# Altium PCB highpower.PcbDoc (part 2 of 2)
Units mil, origin at the board's own origin, x right, y up, seen from the top; angles counter-clockwise.
Board outline 3385.83 x 4330.71 mil, 2 copper layers (Top Layer, Bottom Layer); 122 components, 82 nets, 359 pads, 377 vias.
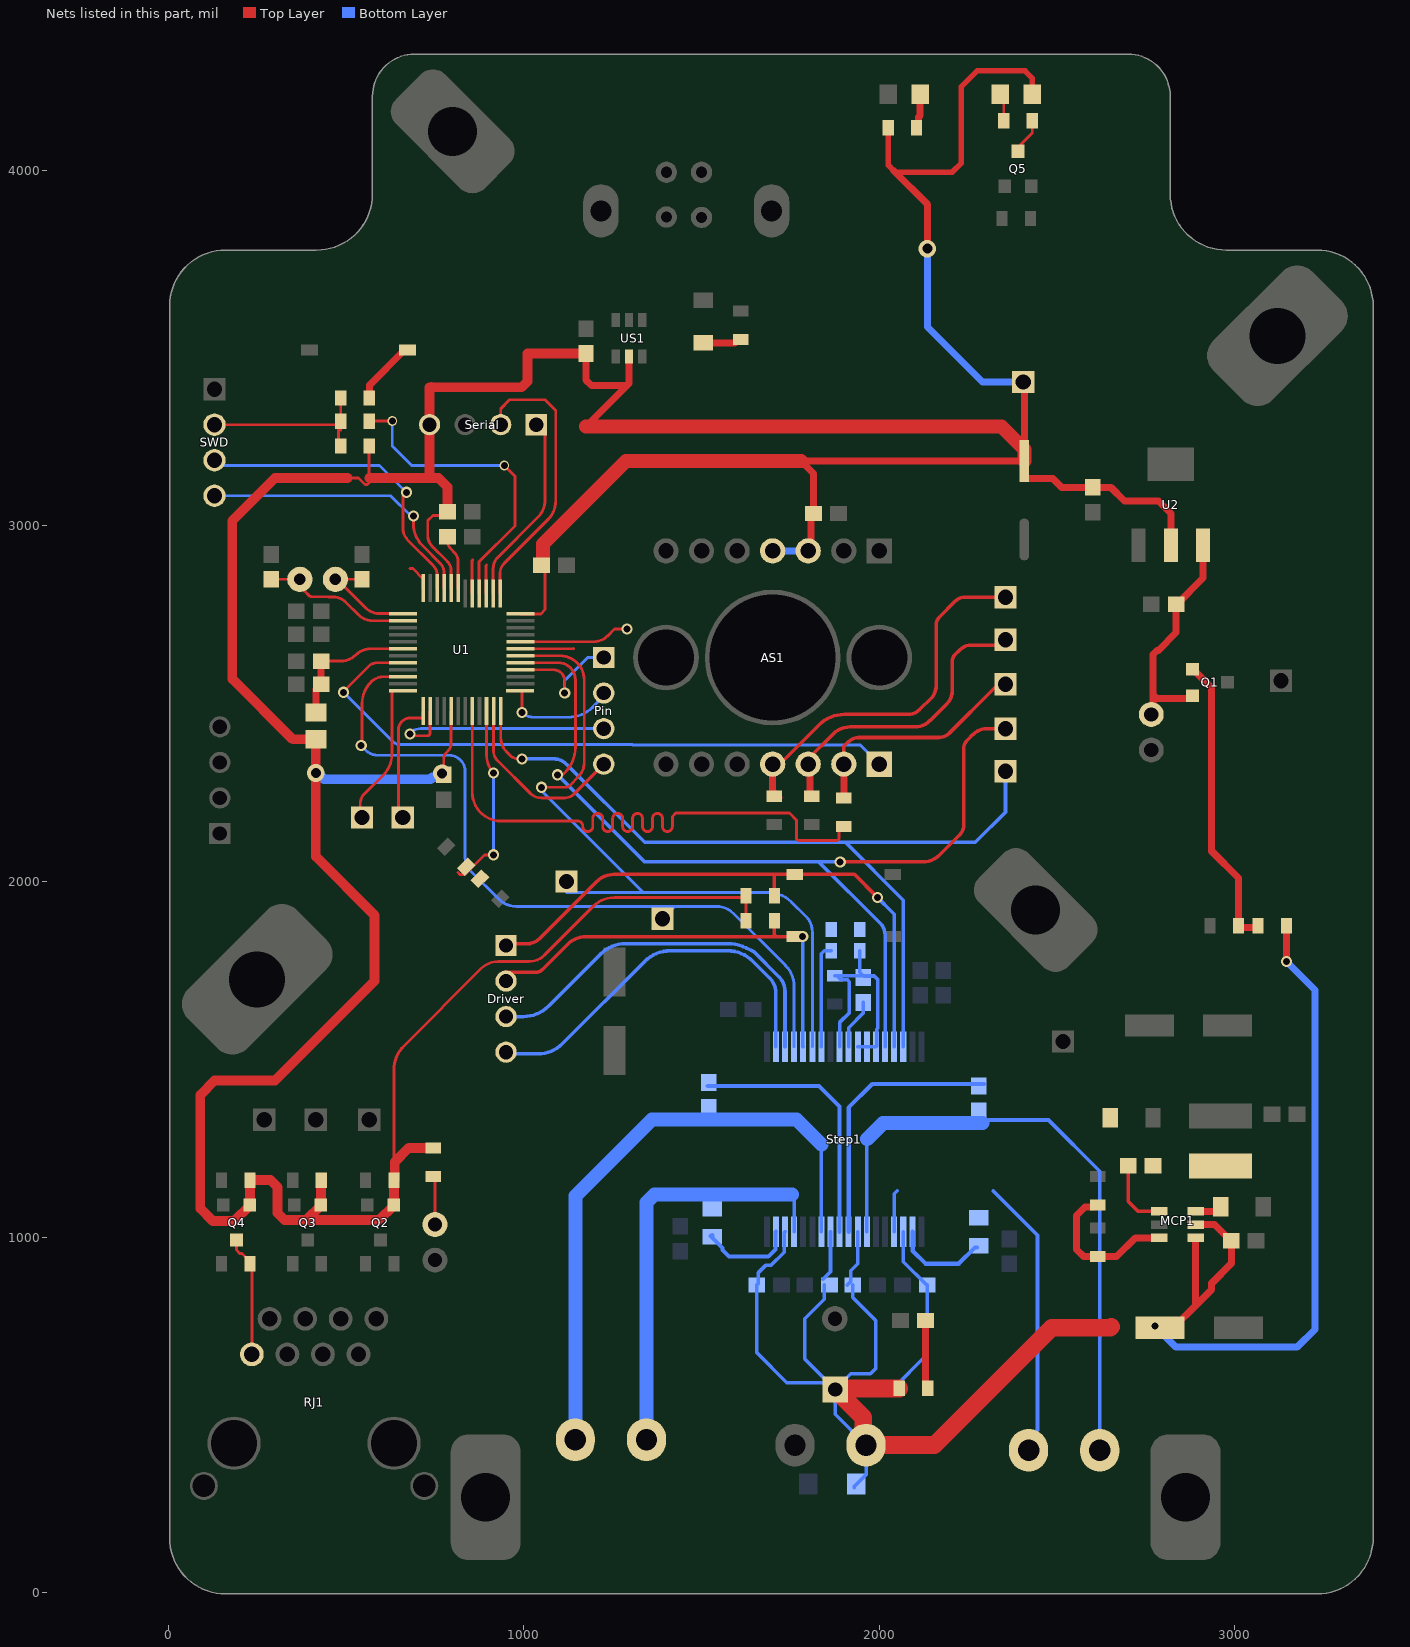
[diagram p2: the nets of this part, all layers, seen from the top]

## Via types
v1: diameter 27.56, hole 15.75, Top Layer to Bottom Layer, tented both sides, 321 vias
v2: diameter 31.5, hole 19.68, Top Layer to Bottom Layer, tented both sides, 37 vias
v3: diameter 50, hole 28, Top Layer to Bottom Layer, tented both sides, 17 vias
v4: diameter 27.56, hole 19.68, Top Layer to Bottom Layer, 2 vias

## Nets (pads, with @x,y where several pads share a name; then routed paths per layer and width w, separated by ;. In a path a pad name is that pad's centre, name@x,y a point inside that pad or via, vN(x,y) a via of type N, cw(c..) or ccw(c..) an arc to the next point about the centre after c; other vN are vias at no path point) (continued)
NetAS1_2: AS1.2 R1.1 SCK.1 | length 673.8
  Top Layer w10: AS1.2@1900,2330 1900.43,2330.43 1900.43,2380.43 1912.72,2392.72 cw(c1942.37,2363.06) 1942.37,2405 2167.32,2405 ccw(c2167.32,2447.68) 2197.5,2417.5 2320.86,2540.86 cw(c2355,2506.72) SCK.1@2355,2555
  Top Layer w19.68: AS1.2@1900,2330 R1.1@1900,2235 R1.1@1905,2240
NetAS1_3: AS1.3 MISO.1 R2.1 | length 853.4
  Top Layer w10: AS1.3@1800,2330 1800,2345 1870,2415 cw(c1918.28,2366.72) 1918.28,2435 2100.25,2435 ccw(c2100.25,2494.75) 2142.47,2452.47 ; 2142.5,2452.5 2190.86,2500.86 ; 2190.88,2500.88 ccw(c2156.72,2535) 2205,2535 2205,2619.39 cw(c2230.61,2619.39) 2212.5,2637.5 2226.25,2651.25 ; 2226.28,2651.28 cw(c2259.45,2618.05) 2259.45,2665 MISO.1@2355,2665
  Top Layer w19.68: AS1.3@1800,2330 1805,2325 1805,2245 R2.1@1810,2240
NetAS1_4: AS1.4 MOSI.1 R3.1 | length 1056.6
  Top Layer w10: AS1.4@1700,2330 ccw(c1700,2378.28) 1734.14,2344.14 1830.71,2440.71 cw(c1901.42,2370) 1901.42,2470 2080,2470 ccw(c2080,2518.28) 2114.12,2484.12 ; 2114.14,2484.14 2145.86,2515.86 ; 2145.88,2515.88 ccw(c2111.72,2550) 2160,2550 2160,2720.86 cw(c2194.14,2720.86) 2169.98,2744.98 2212.5,2787.5 cw(c2242.68,2757.32) 2242.68,2800 MOSI.1@2355,2800
  Top Layer w19.68: AS1.4@1700,2330 1700,2255 R3.1@1718.19,2236.81
NetC3_1: C3.1 C25.2 Q1.2 U2.3 | length 671.5
  Top Layer w19.68: C3.1@2765,2470 2770,2475 2770,2526.53 ; Q1.2@2880.79,2522.4 2873.39,2515 2781.53,2515 2770,2526.53 ; U2.3@2910.55,2945.83 2910.55,2853.58 2836.97,2780 C25.2@2835,2780 2835,2700 2785,2650 2781.53,2650 2770,2638.47 2770,2526.53
  Bottom Layer w19.68: C3.1@2765,2470 C3.1@2774.63,2479.63
NetC7_1: C7.1 C10.1 F1.1 U1.6 | length 391.4
  Top Layer w8: C7.1@430,2620 485.57,2620 ccw(c485.57,2678.98) 527.28,2637.28 cw(c568.88,2595.61) 568.88,2654.49 U1.6@659.8,2654.49
  Top Layer w19.68: F1.1@415,2475 415,2541.97 428.03,2555 C10.1@430,2555 C7.1@430,2620
NetC13_2: C13.2 U1.1 X1.2 | length 277.2
  Top Layer w8: X1.2@470,2850 X1.2@475,2850 ; C13.2@545,2850 X1.2@475,2850 ; U1.1@639.65,2753.49 594.86,2753.49 cw(c594.86,2809.86) 555.02,2769.98 X1.2@475,2850
NetC16_2: C16.2 U1.2 X1.1 | length 402.1
  Top Layer w8: C16.2@290,2850 X1.1@370,2850 ccw(c418.28,2850) 384.14,2815.86 395,2805 ccw(c404.97,2814.97) 404.97,2800.87 cw(c404.97,2792.87) 405.02,2800.87 419.2,2800.8 451.26,2800.65 459.46,2800.62 462.3,2800.62 cw(c462.3,2747.3) 463.76,2800.6 cw(c462.3,2747.3) 499.98,2785.02 534.74,2750.26 ccw(c575,2790.52) 575,2733.58 U1.2@639.65,2733.58
NetC17_1: C17.1 U1.43 | length 154.6
  Top Layer w8: C17.1@785,2970 785,2959.14 ccw(c819.14,2959.14) 795,2935 805.16,2924.84 cw(c780.64,2900.32) 815.32,2900.32 U1.43@815.32,2825
NetC20_1: C20.1 D4.2 L1.1 MCP1.6 | length 81.6
  Top Layer w19.68: MCP1.6@2890,1072.4 2948.19,1072.4 2960,1084.21 D4.2@2960,1085 D4.2@2960,1090.91
NetC20_2: C20.2 D3.2 MCP1.1@2787.64,1072.4 | length 199.1
  Top Layer w10: C20.2@2700,1200 2700,1100 2727.6,1072.4 MCP1.1@2787.64,1072.4
NetC33_2: C33.2 R23.2 | length 193.5
  Top Layer w20: C33.2@2130,765 2130,586.03 2136.11,579.92 R23.2@2136.11,574.01
NetC34_1: C34.1 Step1.35 | length 271.2
  Bottom Layer w11.81: C34.1@1525,1003.03 1558.83,969.2 1558.83,963.09 1576.92,945 1687.77,945 1707.87,965.1 1707.87,1013.78 Step1.35@1709.09,1015 ; C34.1@1530,1003.03 C34.1@1530,1005
NetC34_2: C34.2 J2.2 Step1.33 | length 1193.4
  Bottom Layer w10: J2.2@1345,430 J2.2@1360,445 ; Step1.33@1760.28,1015 1760.28,1100.73
  Bottom Layer w39.37: J2.2@1345,430 1345,1096.94 1368.06,1120 1755,1120
NetC35_1: C35.1 Step1.10 | length 142.1
  Bottom Layer w10: Step1.10@1913.82,1535 1913.82,1588.82 1955,1630 C35.1@1955,1660
NetC35_2: C35.2 R24.2 R25.2 R27.2 Step1.9 Step1.11 Step1.12 Step1.13 | length 671
  Bottom Layer w10: R25.2@1875,1735 1885,1735 1890,1735 C35.2@1955,1735 ; R25.2@1885,1730.9 1891.65,1724.25 1909.14,1724.25 1915,1718.39 1915,1630 1888.23,1603.23 Step1.9@1888.23,1535 ; Step1.11@1939.41,1535 Step1.12@1965,1535 Step1.13@1990.59,1535 1992.72,1537.13 1992.72,1584.52 1995,1586.8 1995,1725 1985.8,1734.2 1955.8,1734.2 C35.2@1955,1735 ; R24.2@1945,1805 1945,1745 C35.2@1955,1735
NetC36_1: C36.1 Step1.28 | length 746.9
  Bottom Layer w11.81: C36.1@1517.21,1425 1830,1425 1888.23,1366.77 Step1.28@1888.23,1015
NetC36_2: C36.2 J2.1 Step1.30 | length 1740.1
  Bottom Layer w10: Step1.30@1837.05,1015 1837.05,1260
  Bottom Layer w39.37: J2.1@1145,430 1145,1115 1360,1330 1767.05,1330 1837.05,1260
NetC37_1: C37.1 Step1.27 | length 756.7
  Bottom Layer w11.81: Step1.27@1913.82,1015 1913.82,1363.82 1980,1430 C37.1@2294.25,1430
NetC37_2: C37.2 J3.2 Step1.25 | length 1778.3
  Bottom Layer w10: Step1.25@1965,1015 1965,1275 ; 2290,1329.14 2475.86,1329.14 2620,1185 J3.2@2620,400
  Bottom Layer w39.37: 1965,1275 2010,1320 2290,1320
NetC38_1: C38.1 Step1.20 | length 269.3
  Bottom Layer w11.81: Step1.20@2092.95,1015 2094.17,1013.78 2094.17,960.83 2130,925 2223.52,925 2269.16,970.64 C38.1@2275.01,970.64
NetC38_2: C38.2 J3.1 Step1.22 | length 910.5
  Bottom Layer w10: Step1.22@2041.77,1015 2041.77,1121.77 2050,1130 ; 2320,1130 2445,1005 2445,457.06 2420,432.06 J3.1@2420,400
NetD2_2: D2.2 R16.1 | length 109.1
  Top Layer w19.68: D2.2@1505,3515 1594.09,3515 1604.09,3525 R16.1@1610,3525
NetDriver_1: Driver.1 R22.2 RST_CD.2 Step1.15 | length 1649.1
  Top Layer w10: Driver.1@950,1820 955,1825 1010,1825 ccw(c1010,1873.28) 1044.12,1839.12 ; 1044.14,1839.14 1205,2000 cw(c1253.28,1951.72) 1253.28,2020 1705,2020 ; R22.2@1705,1960 1705,2020 ; v2(1995,1955) 1930,2020 1705,2020
  Bottom Layer w10: v2(1995,1955) 2036.72,1913.28 2041.77,1908.23 Step1.15@2041.77,1535
NetDriver_2: Driver.2 R21.2 RST_AB.2 Step1.5 | length 1236.4
  Top Layer w10: Driver.2@945,1745 1035,1745 ccw(c1035,1769.14) 1052.07,1752.07 1123.79,1823.79 cw(c1175,1772.57) 1150.86,1840.86 cw(c1175,1772.57) 1175,1845 1710,1845 ; R21.2@1705,1890 1705,1850 1710,1845 ; v2(1784.4,1845.6) 1762.8,1845.6 RST_AB.2@1762.2,1845 1710,1845
  Bottom Layer w10: v2(1784.4,1845.6) 1784.4,1536.47 Step1.5@1785.87,1535 Step1.5@1785,1535.87
NetDriver_3: Driver.3 Step1.3 | length 1079.1
  Bottom Layer w10: Driver.3@950,1620 998.58,1620 ccw(c998.58,1720) 1069.29,1649.29 1215.71,1795.71 cw(c1286.42,1725) 1286.42,1825 1573.58,1825 cw(c1573.58,1705) 1626.05,1812.92 1647.5,1802.5 1717.5,1732.5 cw(c1676.01,1691.01) 1734.69,1691.01 Step1.3@1734.69,1535
NetDriver_4: Driver.4 Step1.2 | length 1080.7
  Bottom Layer w10: Driver.4@950,1520 955,1515 1040,1515 ccw(c1040,1611.57) 1108.28,1543.28 1340.71,1775.71 cw(c1411.42,1705) 1411.42,1805 1573.58,1805 cw(c1573.58,1705) 1644.29,1775.71 1690.78,1729.22 cw(c1646.55,1685) 1709.09,1685 Step1.2@1709.09,1535
NetLED2_1: IN.1 R5.1 | length 81.2
  Top Layer w8: R5.1@2100,4125 R5.1@2105,4120
  Top Layer w20: R5.1@2105,4120 2110.75,4125.75 2110.75,4150.75 2115,4155 IN.1@2115,4190
NetLED3_2: D13.2 R29.1 | length 84.1
  Top Layer w8: R29.1@2350,4140 2350,4210 D13.2@2360,4220
NetMCP1_3: MCP1.3 R17.2 R18.1 | length 425.1
  Top Layer w19.68: R17.2@2610,1090 2604.09,1084.09 2579.09,1084.09 2555,1060 2555,965 2575,945 R18.1@2615,945 2667.4,945 2720,997.6 MCP1.3@2787.64,997.6
NetPin_1: Pin.1 U1.28 | length 348.4
  Top Layer w8: U1.28@990.51,2595.43 1083.56,2595.43 cw(c1083.56,2564) 1115,2564 v2(1115,2530)
  Bottom Layer w8: v2(1115,2530) 1115,2565 1180,2630 Pin.1@1225,2630
NetPin_2: Pin.2 U1.25 | length 328.8
  Top Layer w8: U1.25@989.33,2536.38 993.75,2536.38 995,2535.13 v2(995,2475)
  Bottom Layer w8: v2(995,2475) 996.33,2475 ccw(c1028.05,2506.72) 1028.05,2461.86 1125,2461.86 ccw(c1125,2559.32) 1193.91,2490.41 1225,2521.49 Pin.2@1225,2530
NetPin_3: Pin.3 U1.14 | length 676.1
  Top Layer w8: v2@685.29,2410 728.57,2410 ccw(c728.57,2418) 736.57,2418 U1.14@736.57,2479.29
  Bottom Layer w8: v2(680,2415) 675,2415 cw(c711.21,2378.79) 711.21,2430 Pin.3@1225,2430
NetPin_4: Pin.4 U1.23 | length 520.9
  Top Layer w8: U1.23@915.16,2479.65 915.16,2365.76 ccw(c950.76,2365.76) 925.58,2340.58 1018.08,2248.08 ccw(c1049.67,2279.67) 1049.67,2235 1115,2235 ccw(c1115,2271.21) 1140.61,2245.61 Pin.4@1225,2330
NetPower_1: Power.1 R9.1 | length 137.1
  Top Layer w8: R9.1@745,1170 750,1165 Power.1@750,1035
NetQ1_1: Q1.1 R19.2 R20.1 | length 833.6
  Top Layer w19.68: Q1.1@2880.79,2597.4 2881.77,2597.4 2935,2544.17 2935,2085 3010,2010 R20.1@3010,1875 3015,1870 R19.2@3065,1870
NetQ5_D: Q5.D R29.2 | length 92.4
  Top Layer w8: Q5.D@2390,4064.21 2390,4065.2 2430,4105.2 R29.2@2430,4140
NetR7_2: R7.2 R8.1 U1.22 | length 539.4
  Top Layer w8: 815.16,2024.84 820,2020 834.11,2020 889.11,2075 v2(915,2075) ; U1.22@895.16,2479.65 895.16,2355.43 ccw(c968.99,2355.43) 916.78,2303.22 v2(915,2305)
  Bottom Layer w8: v2(915,2075) v2(915,2305)
NetR24_1: R24.1 R27.1 Step1.7 | length 293.3
  Bottom Layer w10: Step1.7@1837.05,1535 1837.05,1797.05 1845,1805 R24.1@1865,1805
NetR26_2: R26.2 U1.40 | length 886.9
  Top Layer w8: R26.2@565,3295 v4(630,3295) ; U1.40@874.37,2810 874.37,2899.37 975,3000 975,3140 v4(945,3170)
  Bottom Layer w8: v4(630,3295) 630,3225 685,3170 v4(945,3170)
NetR28_1: R28.1 Reset.2 | length 191.3
  Top Layer w19.68: R28.1@560,3360 R28.1@565.91,3365.91 ; R28.1@565.91,3360.91 565.91,3395.98 664.92,3495 Reset.2@672.8,3495
NetSerial_1: Serial.1 U1.38 | length 540.9
  Top Layer w8: U1.38@913.74,2810 913.74,2880 cw(c958.98,2880) 926.99,2911.99 1038.79,3023.79 ccw(c987.57,3075) 1060,3075 1060,3260 Serial.1@1035,3285
NetSerial_2: Serial.2 U1.37 | length 797.6
  Top Layer w8: U1.37@933.43,2810 933.43,2867.06 cw(c972.94,2867.06) 944.97,2894.97 ; Serial.2@935,3285 935,3330 960,3355 1060,3355 1090,3325 1090,3071.82 cw(c1013.18,3071.82) 1067.51,3017.51 945,2895
NetU1_31: U1.31 | length 149.7
  Top Layer w8: U1.31@990.51,2654.49 1139.49,2654.49 1140,2655
NetU1_32: U1.32 | length 311.8
  Top Layer w8: U1.32@990.51,2674.17 1195.36,2674.17 ccw(c1195.36,2731.67) 1236.01,2691.01 1255,2710 v2(1290,2710)
NetU1_39: U1.39 | length 80.4
  Top Layer w8: U1.39@894.06,2810 894.06,2889.06 895,2890
NetU1_41: U1.41 | length 95.7
  Top Layer w8: U1.41@854.69,2810 854.69,2903.31 856.37,2905
NetU1_48: U1.48 | length 75
  Top Layer w8: 680,2880 688.14,2880 716.89,2851.25 U1.48@716.89,2825
PWM_A: PWM_A.1 Step1.4 U1.10 | length 2166.7
  Top Layer w8: v2(542.5,2382.5) 545,2385 545,2499.71 cw(c632.39,2499.71) 549.53,2527.49 cw(c632.39,2499.71) 570.57,2561.48 ; 570.6,2561.51 cw(c605,2527.07) 605,2575.75 U1.10@659.8,2575.75
  Bottom Layer w8: v2(542.5,2382.5) 556.25,2368.75 ; 556.28,2368.72 ccw(c589.45,2401.95) 589.45,2355 790,2355 cw(c790,2310) 801.49,2353.51 cw(c790,2310) 833.51,2321.49 cw(c790,2310) 835,2310 835,2066.22 ccw(c886.22,2066.22) 850,2030 930,1950 ccw(c978.29,1998.29) 978.29,1930 1425,1930 ; PWM_A.1@1390,1895 1425,1930 ; 1735.72,1764.28 1590,1910 ccw(c1541.72,1861.72) 1541.72,1930 1425,1930 ; 1735.76,1764.24 cw(c1676.44,1705) 1760.28,1705 Step1.4@1760.28,1535
PWM_B: PWM_B.1 Step1.6 U1.30 | length 2093.8
  Top Layer w8: U1.30@990.51,2634.8 1102.07,2634.8 cw(c1102.07,2566.87) 1168.28,2582.08 cw(c1102.07,2566.87) 1170,2566.87 1170,2335 cw(c1111.34,2335) 1152.82,2293.52 1130.88,2271.58 cw(c1115,2287.45) 1115,2265 v2(1050,2265)
  Bottom Layer w8: v2(1050,2265) 1050,2255.46 1336.11,1969.35 ; PWM_B.1@1120,1969.35 1336.11,1969.35 ; 1752.41,1942.59 ccw(c1687.79,1877.93) 1687.79,1969.35 1336.11,1969.35 ; 1752.43,1942.57 1795,1900 cw(c1755.27,1860.27) 1811.46,1860.27 1811.46,1857.83 1812.18,1857.11 1812.18,1535.72 Step1.6@1811.46,1535
PWM_C: PWM_C.1 Step1.14 U1.29 | length 2720.6
  Top Layer w8: U1.29@990.51,2615.12 1097.51,2615.12 cw(c1097.51,2567.63) 1145,2567.63 1145,2377.53 cw(c1045,2377.53) 1115.71,2306.82 1108.89,2300 v2(1095,2300)
  Top Layer w10: v2(1890,2055) 2121.72,2055 ccw(c2121.72,2123.28) 2170,2075 2225.13,2130.13 ccw(c2195.25,2160) 2237.5,2160 2237.5,2373.36 cw(c2271.64,2373.36) 2247.48,2397.48 2263.75,2413.75 cw(c2302.98,2374.52) 2302.98,2430 PWM_C.1@2355,2430
  Bottom Layer w10: v2(1095,2300) 1340,2055 1830,2055 ; v2(1890,2055) 1830,2055 ; Step1.14@2016.18,1535 2016.18,1849.47 ccw(c1969.47,1849.47) 2002.5,1882.5 1830,2055
PWM_D: PWM_D.1 Step1.16 U1.24 | length 2417.7
  Top Layer w8: U1.24@935.16,2479.65 935.16,2405 ccw(c992.88,2405) 952.06,2364.19 961.66,2354.59 ccw(c984.82,2377.75) 984.82,2345 v2(994.91,2345)
  Bottom Layer w10: v2(994.91,2345) 995.66,2345.75 1047.74,2345.75 1048.48,2345 1083.79,2345 cw(c1083.79,2293.79) 1120,2330 1340,2110 1905,2110 ; Step1.16@2067.36,1535 2067.36,1947.64 1905,2110 ; PWM_D.1@2355,2310 2355,2195 2270,2110 1905,2110
Reset: R6.2 R26.1 R28.2 SWD.2 | length 501.4
  Top Layer w8: SWD.2@130,3285 473.25,3285 R26.1@479.13,3279.13 ; R6.2@485,3225 479.13,3230.87 R26.1@479.13,3279.13 ; 485,3270 485,3273.25 ; R28.2@485,3355 R26.1@485,3295 485,3273.25 ; R26.1@479.13,3279.13 485,3273.25
SCK: R1.2 U1.20 | length 1768.1
  Top Layer w8: U1.20@855.16,2479.65 855.16,2250.83 ccw(c935.99,2250.83) 935.99,2170 959.97,2170 1151.96,2170 cw(c1151.96,2156) 1165.96,2156 1165.96,2154.57 ccw(c1179.96,2154.57) 1193.96,2154.57 1193.96,2177.56 cw(c1207.96,2177.56) 1221.96,2177.56 1221.96,2154.57 ccw(c1235.96,2154.57) 1249.96,2154.57 1249.96,2177.56 cw(c1263.96,2177.56) 1277.96,2177.56 1277.96,2154.57 ccw(c1291.96,2154.57) 1305.96,2154.57 1305.96,2177.56 cw(c1319.96,2177.56) 1333.96,2177.56 1333.96,2154.57 ccw(c1347.96,2154.57) 1361.96,2154.57 1361.96,2177.56 cw(c1375.96,2177.56) 1389.96,2177.56 1389.96,2154.57 ccw(c1403.96,2154.57) 1417.96,2154.57 1417.96,2182.96 1427.25,2192.25 1747.75,2192.25 1767.5,2172.5 1767.5,2119.69 1772.19,2115 1881.62,2115 1886.31,2119.69 R1.2@1886.31,2147.38
SPI_SS: AS1.1 U1.8 | length 1790.9
  Top Layer w8: v2(492.86,2532.14) 492.86,2534.68 564.09,2605.91 cw(c586.31,2583.69) 586.31,2615.12 U1.8@659.8,2615.12
  Bottom Layer w8: v2(492.86,2532.14) 630,2395 ccw(c654.14,2419.14) 642.03,2387.22 ccw(c654.14,2419.14) 654.14,2385 1305,2385 1306.22,2383.78 1946.22,2383.78 AS1.1@2000,2330
Step: Q4.D R10.1 RJ1.1 | length 342.9
  Top Layer w8: Q4.D@191.97,991.57 191.97,963.03 201.03,953.97 206.94,953.97 230,930.91 R10.1@230,925 235,920 RJ1.1@235,670
SW_CLK: SWD.4 U1.45 | length 816.6
  Top Layer w8: v2(689.77,3027.73) 689.77,3005.13 ccw(c775.13,3005.13) 691.28,2989.16 ccw(c775.13,3005.13) 714.77,2944.77 764.77,2894.77 ; 764.79,2894.75 cw(c737.8,2867.8) 775.94,2867.8 U1.45@775.94,2825
  Bottom Layer w8: SWD.4@130,3085 625,3085 682.27,3027.73 v2(689.77,3027.73)
SW_DIO: SWD.3 U1.46 | length 880.5
  Top Layer w8: v2(669.64,3094.64) 660,3085 660,2994.66 ccw(c709.66,2994.66) 674.53,2959.55 744.54,2889.54 ; 744.57,2889.52 cw(c716.26,2861.26) 756.26,2861.26 U1.46@756.26,2825
  Bottom Layer w8: SWD.3@130,3170 594.29,3170 v2(669.64,3094.64)
VCC: 3.3VDC.1 AS1.11 AS1.12 C2.1 C11.1 C14.1 C15.1 C18.2 C19.1 C26.2 D13.1 F1.2 Q2.G Q3.G Q4.G R5.2 R6.1 R9.2 R11.2 R13.2 R15.2 R21.1 R22.1 Serial.4 U1.17 U1.36 U1.44 U2.2 US1.5 | length 13939.5
  Top Layer w8: 504.65,3135 535,3135 553.69,3116.31 560.31,3116.31 565,3121 565,3135 R6.1@565,3225 ; R13.2@634.69,1159.69 634.69,1470 cw(c730.49,1470) 662.75,1537.75 880,1755 cw(c928.28,1706.72) 928.28,1775 1015,1775 ccw(c1015,1835.36) 1057.68,1792.68 1195.25,1930.25 ; C11.1@775,2320 775,2347.71 cw(c792.61,2347.71) 780.15,2360.15 785.32,2365.32 ccw(c760.41,2390.22) 795.63,2390.22 U1.17@795.63,2479.29 ; 785,2900 742.5,2942.5 cw(c772.68,2972.68) 730,2972.68 730,3015 745,3030 775,3030 C15.1@785,3040 ; 785.03,2899.97 cw(c759.34,2874.34) 795.63,2874.34 U1.44@795.63,2825 ; U1.36@990.51,2752.91 1047.91,2752.91 1060,2765 1060,2880 C14.1@1050,2890 ; 1195.28,1930.28 cw(c1255,1870.5) 1255,1955 R22.1@1625,1955 ; R21.1@1625,1890 R22.1@1625,1955 ; R22.1@1625,1960 R22.1@1625,1955 ; R21.1@1630,1885 R21.1@1630,1890
  Top Layer w15.75: R5.2@2025,4120 2025,4015 2040,4000 2045,3995 2205,3995 2230,4020 2230,4235 2275,4280 2410,4280 2430,4260 D13.1@2430,4215
  Top Layer w19.68: Serial.4@735,3285 735,3390 740.55,3395.55 ; 1175,3280 1287.5,3392.5 ; C18.2@1175,3475 1175,3410 1190,3395 1285,3395 1287.5,3392.5 ; US1.5@1295.94,3477.17 1295.94,3400.94 1287.5,3392.5 ; AS1.12@1800,2930 1807.5,2937.5 1807.5,3027.5 C2.1@1815,3035 1815,3147.31 1780,3182.31 C19.1@2407.79,3182.31 2407.79,3137.04 2411.72,3133.1 2487.96,3133.1 2512.19,3108.87 C26.2@2600.24,3108.87 2651.13,3108.87 2690,3070 2785,3070 2820,3035 U2.2@2820,2945.83 ; 2040,4000 2135,3905 v3(2135,3780) ; 3.3VDC.1@2405,3405 2407.79,3402.21 C19.1@2407.79,3215.78
  Top Layer w27.56: R15.2@430,1160 429.69,1159.69 429.69,1090.32 Q3.G@429.37,1090 429.37,1089.02 387.87,1047.52 ; 504.65,3135 300,3135 180,3015 180,2570 349.8,2400.2 F1.2@415,2400.2 v3(415,2305) 415,2070 580,1905 580,1720 300,1440 130,1440 90,1400 90,1080 125,1045 185.35,1045 229.37,1089.02 Q4.G@229.37,1090 229.69,1090.32 229.69,1159.69 R11.2@230,1160 287.09,1160 306.95,1140.14 306.95,1067.38 326.8,1047.52 387.87,1047.52 ; 565,3135 735,3135 ; 740,3390 735,3390 ; R9.2@745,1250 676.14,1250 636.97,1210.82 636.97,1161.97 R13.2@635,1160 634.69,1159.69 634.69,1090.32 Q2.G@634.37,1090 634.37,1089.02 592.87,1047.52 387.87,1047.52 ; C15.1@785,3040 785,3110 760,3135 735,3135 ; C18.2@1175,3475 1165,3485 1010,3485 1010,3406.14 993.86,3390 735,3390 ; 735,3135 735,3390
  Top Layer w39.37: C14.1@1050,2890 1051.97,2890 1053.94,2891.97 1053.94,2948.94 1287.31,3182.31 1780,3182.31 ; 1175,3280 2343.57,3280 2407.79,3215.78 C19.1@2407.79,3182.31
  Bottom Layer w19.68: AS1.11@1705,2930 AS1.12@1805,2930 ; v3(2135,3780) 2135,3560 2290,3405 3.3VDC.1@2405,3405
  Bottom Layer w27.56: v3(415,2305) 421.07,2305 438.3,2287.77 737.43,2287.77 742.76,2293.09 752.55,2293.09 759.48,2300.02 v3@764.98,2300.02
  other v3: 769.84,2304.31
VPP: C22.1 C24.2 C28.2 C29.2 C30.2 C31.2 C32.1 D1.2 J1.2 MCP1.4 MCP1.5 R19.1 R23.1 Step1.21 Step1.26 Step1.29 Step1.34 | length 6210.7
  Top Layer w19.68: v2(2775,750) 2784.76,750 C22.1@2789.76,745 2827.17,745 2890,807.83 ; MCP1.4@2890,997.6 2890,807.83 ; MCP1.5@2890,1035 2943.15,1035 2976.22,1001.93 2976.22,1001.81 2982.4,995.63 2984.37,995.63 C24.2@2990,990 2990,925 2935,870 2935,852.83 2890,807.83 ; v2(3145,1775) R19.1@3145,1870
  Top Layer w50: R23.1@2056.11,574.01 1879.01,574.01 C32.1@1876,571 1954.74,492.26 1954.74,422.62 J1.2@1962.73,414.63 2154.63,414.63 2485,745 2649.76,745 2652.21,747.44
  Bottom Layer w10: Step1.34@1734.69,1015 1732.56,1012.87 1732.56,957.56 1695,920 1680,920 1660,900 1660,870 C30.2@1655,865 1655,675 1740,590 C32.1@1857,590 ; C31.2@1841.52,881.52 1862.64,902.64 Step1.29@1862.64,1015 ; C31.2@1845,865 1845,825 1790,770 1790,657 C32.1@1857,590 ; C29.2@1910,865 1920,875 1920,905 1939.41,924.41 Step1.26@1939.41,1015 ; C29.2@1925,865 1925,830 1990,765 1990,630 1975,615 1920,615 C32.1@1876,571 ; D1.2@1930,295 1930,298.94 1962.73,331.67 J1.2@1962.73,414.63 1876,501.36 C32.1@1876,571 ; Step1.21@2067.36,1015 2067.36,930.67 2133.03,865 C28.2@2135,865 2135,670 2036,571 C32.1@1876,571 ; C32.1@1857,590 C32.1@1876,571
  Bottom Layer w19.68: v2(2775,750) 2835,690 3175,690 3225,740 3225,1695 v2(3145,1775)
VREF12: U1.12 Vref12.1 | length 418.2
  Top Layer w8: Vref12.1@545,2180 540,2185 540,2220 cw(c576.21,2220) 550.61,2245.61 605,2300 ccw(c546.53,2358.47) 629.22,2358.47 629.22,2531.79 633.81,2536.38 U1.12@659.8,2536.38
VREF34: U1.13 Vref34.1 | length 359.1
  Top Layer w8: Vref34.1@660,2180 649.56,2190.44 647.22,2192.78 647.22,2426.51 cw(c680.71,2426.51) 680.71,2460 715.64,2460 716.89,2461.25 U1.13@716.89,2479.29
pads on no net: AS1.6 AS1.7 AS1.8 AS1.9 AS1.10 AS1.14 AS1.A AS1.B AS1.C Hole1.1 Hole2.1 Hole3.1 Hole4.1 Hole5.1 Hole6.1 MCP1.1@2817.64,1095 RJ1.HM1 RJ1.HM2 RJ1.HM3 RJ1.HM4 U2.4 US1.1@1355,3550 US1.4 US1.6

## Polygon pours and split planes (outlines as drawn)
GND on Bottom Layer "GND_L02_P001" (solid, pour order 1): 155,3465 160,3460 310,3460 310,3475 680,3845 980,3845 1165,4030 1165,4175 2370,4175 2845,3700 2845,3490 3260,3075 3260,730 3110,580 2810,580 2695,465 2695,190 2630,125 2605,150 95,150 65,180 65,1420 95,1450 305,1450 545,1690 545,1940 450,2035 140,2035 120,2055 110,2055
no net on Bottom Layer "NONET_L02_P000" (solid, pour order 0): 850,2090
GND on Top Layer "GND_L01_P002" (solid, pour order 2): 85,145 3120,145 3160,105 3270,215 3270,3050 3225,3050 2815,3460 2815,3770 2395,4190 2370,4165 1190,4165 1180,4155 1180,4040 960,3820 680,3820 110,3250 110,2095 175,2030 445,2030 445,2025 575,1895 555,1875 555,1715 270,1430 85,1430

## Other copper
Top Layer:
  region net VCC: 720,3245 720,3150 555,3150 550,3155 550,3245
  region net Reset: 115,3305 445,3305 465,3325 465,3380 495,3380 505,3370 505,3210 475,3210 465,3220 465,3265 125,3265
  region net NetR28_1: 550,3360 550,3480 610,3540 710,3540 725,3525 725,3450 615,3340 560,3340
  region net +5_USB: 1590,3595 2570,3595 3100,3065 3100,2575 3155,2575 3150,2580 3150,3090 2620,3620 1610,3620 1605,3625
  region net NetD2_2: 1480,3540 1650,3540 1650,3445 1480,3445
  region net GND: 210,2960 210,2995 215,3000 290,3075 560,3075 565,3070 565,2985
  pour cut-out: 1030,1600
  region net VCC: 995,3415 725,3415 705,3395 705,3175 700,3170 315,3170 260,3115 275,3100 615,3100 640,3125 725,3125 760,3090 760,3030 780,3030 790,3020 795,3025 800,3025 800,3130 770,3160 770,3340 805,3375 980,3375 985,3380
  region net VCC: 1305,3475 1305,3275 1200,3275 1192.5,3267.5 1085,3375 975,3375 975,3415 1000,3440 1000,3495 1175,3495 1185,3505 1190,3500 1190,3445 1190,3440 1205,3420 1275,3420 1285,3430 1285,3470
  region: 2345,970
  region net +12: 1570,1550 1585,1565 1585,1735 1635,1735 1660,1710 1660,1540
  region net GND: 1880,3055 1885,3060 2615,3060 2680,2995 2735,2995 2735,2890 2795,2830 2795,2775 2785,2775 2650,2640 2650,2315 2625,2290 2590,2290 2570,2310 2570,2940 2510,2940 2470,2900 2360,2900 2260,3000 1945,3000 1935,2990 1935,2920 1920,2905 1885,2905 1870,2920
  region net VCC: 2295,3315 2285,3305 1195,3305 1160,3270 1160,3080 1240,3160 2305,3160 2325,3180 2325,3205
  region net +5: 622.5,925 622.5,822.5 595,795 555,795 555,750 510,705 510,615 455,560 450,565 210,565 165,610 165,935 145,935 140,940 135,935 135,597.41 192.41,540 480,540 620,680 620,755 650,785 650,920
  region net +5: 625,945 630,950 775,950 775,920 760,905 620,905
  region net NetPower_1: 765,1185 765,1025 775,1015 770,1010 710,1010 710,1180 715,1185
  region net VCC: 795,2280 800,2285 800,2340 740,2340 740,2275 800,2275 800,2285 790,2285
  region net NetC3_1: 2745,2440 2885,2440 2895,2450 2895,2530 2880,2530 2865,2545 2825,2545 2825,2640 2930,2745 2930,2940 2916.38,2940 2910.55,2945.83 2899.72,2935 2895,2935 2895,2865 2845,2815 2820,2815 2810,2805 2810,2730 2720,2640 2720,2450
  region net VCC: 2615,3090 2650,3090 2700,3040 2765,3040 2800,3005 2800,2965 2835,2965 2840,2970 2840,3070 2815,3095 2745,3095 2675,3165 2675,3395 2625,3445 2605,3425 2605,3420
  region net VCC: 2615,3090 2315,3090 2280,3125 2280,3450 2425,3450 2430,3455 2440,3445 2625,3445 2630,3440 2625.69,3435.69 2625.69,3108.87
  region net GND: 720,2755 930,2755 930,2540 720,2540
  region: 710,2760
  region net GND: 835,2950 890,2950 920,2980 920,3055 900,3075 835,3075 830,3070
  region net GND: 380,2545 375,2550 375,2775 255,2775 255,2780 250,2785 250,2891.52 268.48,2910 555,2910 555,2925 565,2935 565,2985 235,2985 210,2960 210,2635 305,2540 380,2540
  region net NetR7_2: 852.57,1977.57 895,2020 845.5,2069.5 803.08,2027.07
  region net GND: 815,2250 815,2115 800,2100 750,2100 750,2250
  region net VPP: 2748.9,825 2750,826.1 2750,910 2955,910 2965,920 2965,1013.15 2963.15,1015 3010,1015 3010,875 2995,860 2955,860 2880,785 2880,695 2740,695 2735,700 2740,705 2740,790
  region net NetC20_1: 2755,1230 3045,1230 2990,1175 2980,1175 2980,1060 2975,1055 2970,1060 2875,1060 2870,1065 2870,1160 2860,1170 2755,1170 2745,1180 2745,1220
  region net GND: 2910,1470 2930,1450 3135,1450 3155,1430 3155,1210 3045,1100 3045,845 3020,820 2960,820 2940,800 2940,645 2905,610 2905,590 2925,570 3080,570 3115,605 3115,1030 3210,1125 3210,1550 3095,1665 2910,1665
  region net +12: 3125,1305 3125,1400 3130,1405 3120,1415 2875,1415 2850,1440 2850,1620 2845,1625 2740,1625 2740,1315 2750,1305
  region net +12: 2825,1560 2805,1580 1250,1580 1250,1529.76 1264.76,1515 2740,1515 2745,1510
  region net GND: 1615,1460 1580,1425 1580,405 1625,360 1640,375 1670,375 1670,610 1830,770 2065,770 2065,800 2210,945 2210,1460
  region net VPP: 2092.5,586.4 2092.5,496.4 2112.5,476.4 2172.5,476.4 2521.1,825 2748.9,825 2757.5,816.4 2757.5,716.4 2747.5,706.4 2747.5,701.4 2612.5,701.4 2602.5,691.4 2517.5,691.4 2147.5,321.4 1967.5,321.4 1932.5,356.4 1932.5,481.4 1877.5,536.4 1877.5,596.4 1897.5,576.4 2032.5,576.4 2037.5,581.4
  region net NetC20_2: 2625,1360 2625,1290 2675,1240 2675,1100 2700,1075 2745,1075 2745,1085 2735,1095 2725,1095 2720,1100 2720,1290 2665,1345 2665,1365
  region net GND: 1705,890 1725,890 1780,945 1780,960 1815,960 1820,955 1820,820 1830,810 1950,810 1970,830 1970,935 1975,940 2020,940 2020,910 2040,890 2075,890 2075,870 2090,855 2090,710 2060,680 1845,680 1790,625 1790,385 1765,360 1625,360 1625,810
Bottom Layer:
  region net GND: 2700,1470 2945,1470 2975,1500 2975,1665 2980,1660 3185,1660 3185,745 3165,725 2960,725 2755,930 2755,1375 2750,1380
  region net +12: 2760,2390 2895,2390 2925,2360 2925,1520 2830,1520 2830,2160 2825,2165 2825,2315 2815,2325
  region net GND: 1815,1040 1815,1225 1785,1255 1776.68,1246.68 1776.68,1210 1790,1196.68 1790,1000
  region net NetC35_2: 1930,1885 1970,1885 1970,1820 1960,1810 1930,1810
  region net NetR24_1: 1880,1785 1880,1885 1830,1885 1830,1785
  region net NetR24_1: 1840,1785
  region net GND: 720,2755 930,2755 930,2540 720,2540
  region net +12: 2390,970 2395,975 2395,1020 2385,1030 2340,1030 2330,1020 2330,975 2335,970
  region net +12: 2205,1550 2210,1555 2210,1655 2200,1665 2110,1665 2110,1690 2100,1700 2105,1705 2210,1705 2255,1660 2255,1550 2250,1550 2240,1540 2235,1545 2210,1545
  region net +12: 1410,1005 1475,1005 1480,1010 1480,1070 1405,1070 1405,1010
  region net +12: 2500,1520 2840,1520 2840,1670 2770,1600 2480,1600 2480,1535
  region net GND: 2327.5,1470 2335,1462.5 2335,1415 2575,1415 2580,1420 2670,1420 2745,1345 2745,1135 2790,1135 2790,1400 2720,1470 2430,1470 2380,1520 2380,1685 2370,1685 2300,1755 2300,1645
  region net GND: 2090,1725 2220,1725 2275,1670 2275,1500 2285,1490 2297.5,1502.5 2342.5,1502.5 2342.5,1717.5 2285,1775 2090,1775
  region net GND: 1600,1650 1600,1485 1590,1495 1492.5,1495 1492.5,1652.5 1505,1665 1595,1665
  region net GND: 1835,1455 1885,1405 1920,1405 1970,1455 1970,1460
  region net GND: 3107.5,722.5 3117.5,732.5 3117.5,1092.5 3067.5,1142.5 2797.5,1142.5 2742.5,1087.5 2742.5,872.5 2892.5,722.5
  region net GND: 2740,1145 2740,945 2750,935 2930,935 2930,1135 2935,1140 2930,1145
  region net GND: 1440,975 1570,845 1570,615 1475,615 1440,650
  region net NetC35_2: 1915,1750 1930,1765 1930,1825 1975,1825 1975,1710 1855,1710 1855,1750
  region net GND: 2192.5,1475 2237.5,1520 2342.5,1520 2342.5,1485 2327.5,1470 2232.5,1470 2232.5,1465 2217.5,1450 1592.5,1450 1557.5,1485 1502.5,1485 1492.5,1495 1492.5,1520 1582.5,1520 1627.5,1475
  region net GND: 1249.21,105.89 2510.89,105.89 2555,150 2555,250 2185,250 2160,225 1845,225 1820,250 1820,395 1750,465 1585,465 1505,545 1485,545 1485,330 1455,300 1216.68,300 1210,293.32 1210,105
  region: 2820,740
  region net VPP: 1810,570 1820,560 1820,535 1905,450 1905,275 1915,265 1990,265 2030,305 2030,430 2150,550 2120,580 1900,580
  region net GND: 1995,1056.45 1995,1235 2030,1270 2440,1270 2555,1155 2555,215 2475,135 2135,135 2210,210 2470,210 2515,255 2515,1085 2385,1215 2040,1215 2020,1195 2020,1026.63
  region net GND: 1796.68,1050 1796.68,1243.32 1755,1285 1358.32,1285 1216.68,1143.37 1216.68,340 1211.68,335 1211.68,255 1786.68,255 1801.68,270 1786.68,285 1786.68,355 1536.68,355 1481.68,300 1261.68,300 1261.68,1136.68 1345,1220 1766.68,1220 1786.68,1200 1786.68,1047.5 1779.18,1040
  region net GND: 2345,940 2230,825 2230,570 2145,485 2145,200 1835,200 1805,230 1805,425 1800,430 1755,385 1755,225 1760,225 1850,135 2170,135 2270,235 2270,490 2380,600 2380,930
  region net GND: 1460,970 1460,725 1710,475 1785,475 1785,430 1805,410 1790,395 1790,380 1765,380 1750,365 1665,365 1425,605 1425,960 1420,965
  region net GND: 1860,810 1910,810 1940,780 1940,675 1920,655 1855,655 1840,670 1840,790
  region net GND: 1970,855 2020,805 2020,690 2030,680 2060,680 2090,710 2090,850 2080,850 2060,870
  region net GND: 1970,855
  region net GND: 1707.5,887.5 1700,880 1700,690 1740,650 1765,650 1760,655 1760,795 1815,850 1815,890
  region net GND: 2020,1035 2016.18,1031.18 2016.18,911.85 2018.15,911.85 2060,870 2080,870 2080,855 2070,845 1980,845 1970,855 1970,935 1990,955 1985,960 1985,1040 1995,1040 2010,1055 2015,1050 2015,1045
  region net GND: 1785,1055 1815,1055 1815,870 1800,855 1715,855 1710,860 1710,885 1705,890 1715,900 1750,900 1750,905 1783.74,938.74 1783.74,1031.26 1780,1035
  region net VPP: 1885,875 1880,870 1880,825 1860,825 1815,780 1815,650 1830,635 1930,635 1930,615 1920,605 1920,600 1830,600 1810,580 1795,595 1790,595 1775,610 1780,615 1780,775 1840,835 1840,862.5
  region net VPP: 1900,875 1900,835 1950,785 1950,650 1905,605 1900,605 1900,580 1925,555 1945,575 2005,575 2015,585 2005,595 2005,785 1945,845 1945,872.5
  region net VPP: 2120,855 2120,710 2015,605 1865,605 1865,545 1870,550 2150,550 2185,585 2185,885 2170,900 2155,900
  region net VPP: 2075,995 2075,955 2130,900 2155,900 2160,895 2160,855 2150,855 2140,845 2125,845 2125,875 2090,910 2070,910 2060,920 2060,975 2062.17,972.83 2067.36,972.83
  region net VPP: 1935,995 1935,965 1925,955 1915,955 1910,950 1910,915 1900,905 1900,875 1910,865 1915,870 1945,870 1945,875 1950,880 1950,965 1945,970 1945,980
  region net VPP: 1870,1000 1870,960 1885,945 1885,865 1860,840 1850,850 1840,850 1840,875 1835,880 1835,940 1855,960 1855,980
  region net VPP: 1740,990 1740,950 1745,945 1710,910 1695,910 1680,895 1680,665 1740,605 1865,605 1865,545 1860,540 1700,540 1605,635 1605,890 1640,925 1700,925 1732.56,957.56 1732.56,985.22
  region net NetC38_2: 2050,1040 2050,1070 2075,1095 2185,1095 2225,1055 2400,1055 2415,1040 2415,525 2375,485 2375,360 2395,340 2405,350 2490,350 2490,400 2490,1060 2360,1190 2055,1190 2035.2,1170.2 2035.2,1074.8 2035.2,1050.2
  region net NetC37_2: 1960,1045 1960,1065 1935,1090 1935,1340 1975,1380 2635,1380 2700,1315 2700,365 2600,365 2585,350 2585,1175 2470,1290 2020,1290 1985,1255 1985,1091.2 1975,1081.2 1975,1070 1970,1065 1970,1055
  region net NetC34_2: 1755,1050 1755,1070 1720,1105 1735,1105 1740,1110 1760,1090 1770,1090 1760,1080
  region net NetC36_2: 1845,1010 1845,1065 1870,1090 1870,1340 1825,1385 1280,1385 1085,1190 1085,415 1120,380 1130,390 1195,390 1200,395 1200,1160 1340,1300 1780,1300 1830,1250 1830,1075 1830,1040
  region net NetC34_2: 1395,390 1380,405 1380,1070 1395,1085 1575,1085 1595,1105 1735,1105 1755,1085 1755,1050 1760,1050 1765,1045 1765,1070 1775,1080 1775,1185 1760,1200 1355,1200 1290,1135 1290,420

## Silkscreen, mask and mechanical layers (free items; w line width, h text height)
Top Overlay:
  text "CLK-DIO-RST-GND" at 245,3040 h47.24 r90
  text "D12-D11-D3-D2" at 1120,2800 h47.24 r270
  text "A5-A3-A1-A0" at 260,1995 h47.24 r90
  text "PWM_A -  A4 -  PA5 / PWM_B -  D7 -  PA21 / PWM_C -  D6 -  PA20 / PWM_D -  D5 -  PA15" at 1020,950 h78.74
  text "mWork /  / 09/04/2020" at 1770.88,940 h118.11
  text "Step  -   D0 -  PA11 / Dir    -    D1 -  PA10 / SS  -      A2 - PB09 / Vref34 - D4 -  PA08 / Vref12 - D9 -  PA07" at 1025,565 h78.74
  text "VPP" at 2119.37,390.18 h78.74
  text "GND" at 1490.04,385.53 h78.74
Bottom Solder:
  lines w15: 1640,845 1640,650 1725,565 1855,565 ; 1675,915 1700,915 1730,945 ; 1840,600 1825,600 1800,625 1800,630 1800,780 1850,830 1855,830 ; 1865,900 1865,960 ; 1910,585 1975,650 1975,785 1920,840 1920,850 ; 1935,560 2055,560 2160,665 2160,845 ; 1940,900 1940,965 ; 2000,905 2000,960 ; 2050,730 2050,805 ; 2065,980 2065,945 2110,900
  lines w20: 1560,1260 1355,1260 1235,1140 1235,265 1280,220 1640,220 ; 1765,235 1825,175 2495,175 2535,215 2535,1120 2400,1255 2230,1255 ; 1796.06,916.06 1796.06,960.57 ; 2185,215 2215,245 2215,505 2360,650 2360,900
  lines w40: 1140,450 1140,875 1140,1165 1305,1330 1535,1330 ; 1335,465 1335,1090 1395,1150 ; 1405,1140 1515,1140 ; 1465,915 1465,655 1565,555 1565,380 1660,285 ; 2265,1335 2505,1335 2650,1190 2650,450 ; 2275,1120 2370,1120 2450,1040 2450,445
Mechanical 1:
  lines w11.81: 574.29,4208.99 cw(c692.4,4208.99) 692.4,4327.1 2700.27,4327.1 cw(c2700.27,4208.99) 2818.38,4208.99 2818.38,3933.4 ccw(c2975.86,3933.4) 2975.86,3775.91 3231.77,3775.91 cw(c3231.77,3618.43) 3389.25,3618.43 3389.25,153.87 cw(c3231.77,153.87) 3231.77,-3.61 160.9,-3.61 cw(c160.9,153.87) 3.42,153.87 3.42,3618.43 cw(c160.9,3618.43) 160.9,3775.91 416.8,3775.91 ccw(c416.8,3933.4) 574.29,3933.4 574.29,4208.99 ; 574.29,4208.99 574.29,4208.99 ; 935,540 965,540 965,1375 935,1375 935,540
  lines w19.68: 3.42,153.87 ccw(c160.9,153.87) 160.9,-3.61 3231.77,-3.61 ccw(c3231.77,153.87) 3389.25,153.87 3389.25,3618.43 ccw(c3231.77,3618.43) 3231.77,3775.91 2975.86,3775.91 cw(c2975.86,3933.4) 2818.38,3933.4 2818.38,4208.99 ccw(c2700.27,4208.99) 2700.27,4327.1 692.4,4327.1 ccw(c692.4,4208.99) 574.29,4208.99 574.29,3933.4 cw(c416.8,3933.4) 416.8,3775.91 160.9,3775.91 ccw(c160.9,3618.43) 3.42,3618.43 3.42,153.87

## Dimensions
3389.25,3618.43 to 3.42,3618.43 on Top Layer
3460,445 to 2700.27,4327.1 on Top Layer

## Text inside footprints (layer, text, board x,y; h text height)
C19: Top Overlay "+" at 2420.58,3182.55 h43.31 r270
C32: Top Overlay "+" at 1935,620 h43.31 r90